# KiCad board Wireless Video Glass.kicad_pcb (continued)
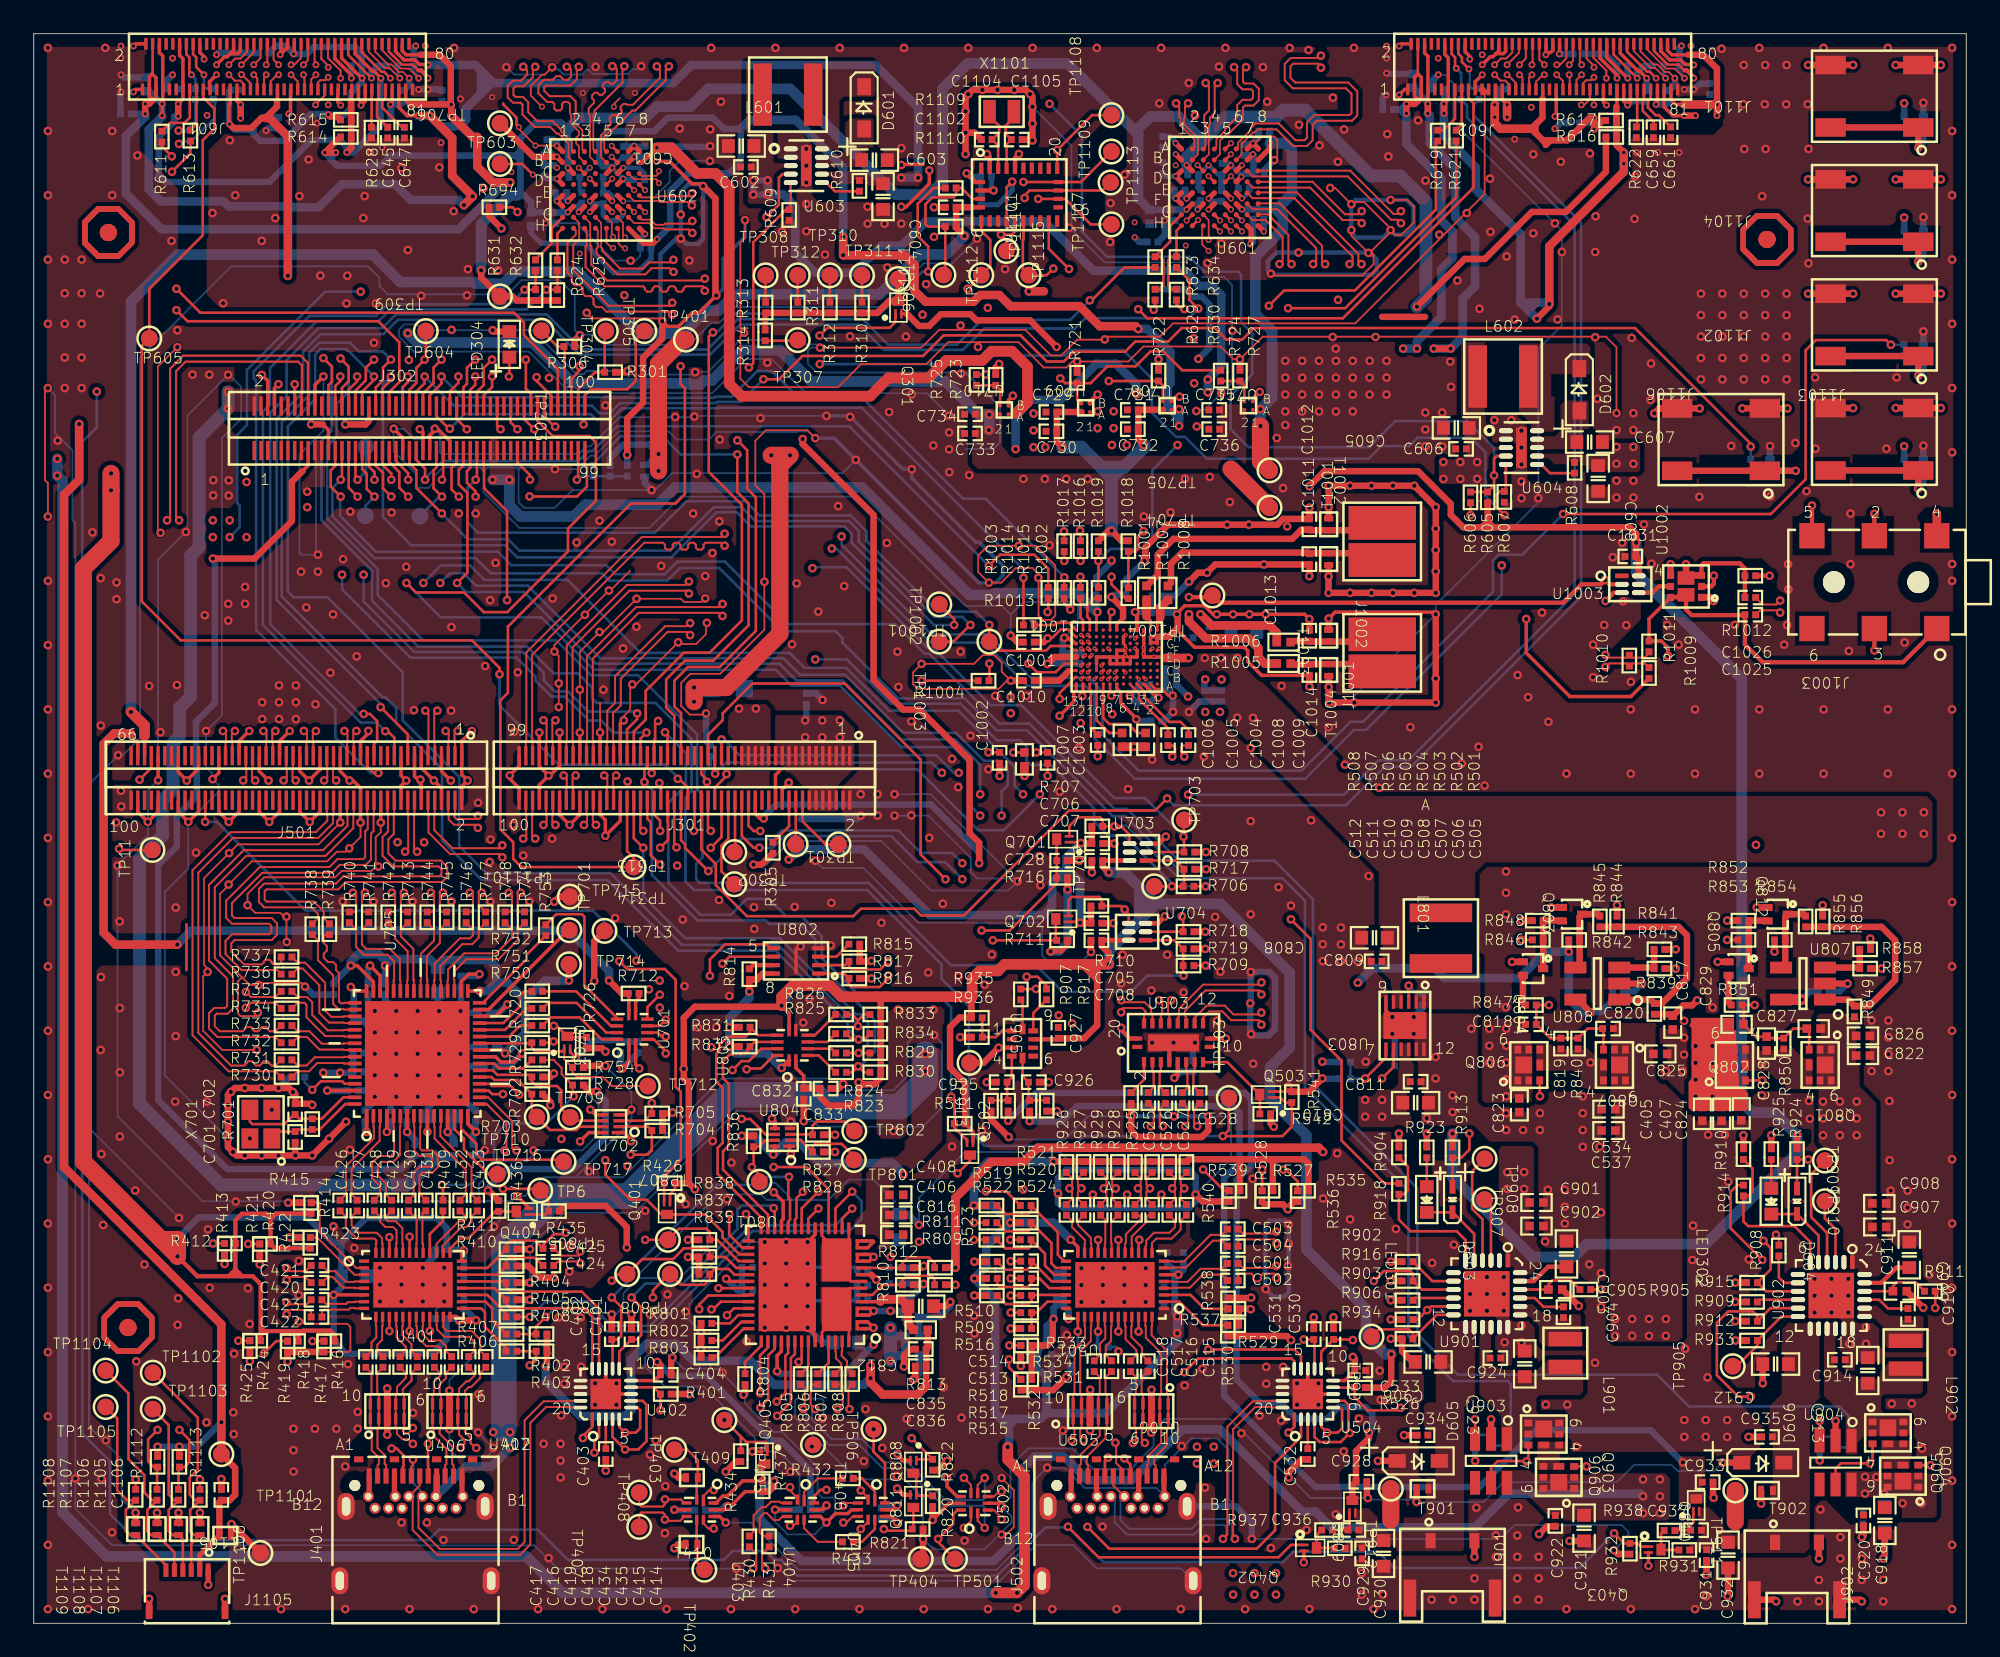
[diagram p0: board, top side]
## Routing (per net, layer and track width the routed paths; a pad name or vN(x,y) marks a point on that pad's centre or on a via; arc(x,y) is an arc through that point) (continued)
N8519947: length 1.8
  TOP w0.152: v1(63.09,17.3) U501.32
  BOTTOM w0.203: R512.1 63.05,17.26 v1(63.09,17.3)
N8557259: length 2.3
  TOP w0.152: Q808.3 52.32,8.72 Q811.1 52.37,7.56 R820.2
N8604298: length 3.9
  TOP w0.152: C1008.1 67.23,53.06 65.51,54.79 65.51,55.14 65,55.65 U1001.A5
N8605305: length 4.7
  TOP w0.152: C1009.1 68.45,52.96 67.98,53.44 67.32,53.44 65.84,54.91 65.84,55.24 U1001.A4
N8711936: length 3.1
  TOP w0.152: v1(79.92,32.3) 80.61,32.98 U803.8
  BOTTOM w0.152: v1(79.92,32.3) 80.67,33.05 R819.2
N8787935: length 2.1
  TOP w0.152: R815.2 47.58,39.52 U802.3
N8811803: length 1.5
  TOP w0.254: U802.7 42.64,39.02 R814.2
N8895024: length 4
  TOP w0.152: v2(62.09,58.6) 62.2,58.49 U1001.H12 ; v1(60.1,59.95) 60.14,59.99 R1003.2
  GND02 w0.152: v1(60.1,59.95) 60.1,59.23 60.43,58.9 61.78,58.9 v2(62.09,58.6)
N8896588: length 7.1
  TOP w0.152: R1004.2 56.65,55.91 v1(56.65,56.9)
  TOP w0.203: v2(62.09,57.8) 62.2,57.69 U1001.F12
  GND02 w0.152: v2(62.09,57.8) 62.06,57.77 v3(61.73,57.77)
  ART03 w0.122: v3(61.73,57.77) 61.59,57.91 58.34,57.91 57.73,57.3 57.05,57.3 v1(56.65,56.9)
N8909823: length 3.1
  TOP w0.254: U901.23 88.91,20.28 89.77,21.13 C903.2
N9698835: length 8.8
  TOP w0.381: J1102.2 J1102.1 v1(111.71,73.96)
  BOTTOM w0.381: v1(111.71,73.96) 112.01,74.27 T1102.2 110.93,75.1 R1102.2
N9700770: length 8.9
  TOP w0.381: v1(111.71,87.48) J1101.1 J1101.2
  BOTTOM w0.381: v1(111.71,87.48) 112.01,87.78 T1101.2 111.54,88.65 111.54,88.68 R1101.2
N9701649: length 8.8
  TOP w0.381: J1104.2 J1104.1 v1(111.71,80.72)
  BOTTOM w0.381: v1(111.71,80.72) 112.01,81.03 T1104.2 111.54,81.87 111.54,81.9 R1104.2
N10102285: length 8.6
  TOP w0.381: v1(111.71,67.26) J1103.1 J1103.2
  BOTTOM w0.381: R1103.2 111.54,68.35 111.54,68.32 T1103.2 112.01,67.56 v1(111.71,67.26)
N10154362: length 11.1
  TOP w0.152: J1105.4 8.84,4.97 T1107.2 8.23,5.23 8,5.46 8,6.71 R1106.1 8.33,7.29 8,7.62 8,11.75 TP1103.1
N10154374: length 14.3
  TOP w0.152: J1105.3 9.34,4.72 T1106.2 9.5,5.23 9.27,5.46 9.27,6.71 R1105.1 9.57,7.29 9.25,7.62 9.25,8.64 9.72,9.11 9.72,12.19 TP1102.1
N10154418: length 14.4
  TOP w0.152: TP1104.1 5.61,13.63 5.61,9.73 6.55,8.79 6.55,7.75 7.01,7.29 R1107.1 6.73,6.71 6.73,5.46 6.96,5.23 T1108.2 8.34,4.2 J1105.5
N10154492: length 12.1
  TOP w0.152: J1105.6 7.84,3.43 T1109.2 5.69,5.23 5.46,5.46 5.46,6.71 R1108.1 5.53,7.29 4.95,7.88 4.95,12.14 TP1105.1
N10693033: length 2.7
  TOP w0.152: R1013.1 60.5,59.18 60.63,59.31 61.37,59.31 U1001.J13
N10693334: length 3.8
  TOP w0.152: v1(61.44,60.1) 61.09,60.45 61.09,60.76 R1014.1
  TOP w0.203: U1001.G11 62.6,58.09 v2(62.49,58.2)
  GND02 w0.102: v2(62.49,58.2) 62.86,58.57 62.86,58.68
  GND02 w0.152: v1(61.44,60.1) 61.59,59.95 61.94,59.95 62.86,59.03 62.86,58.68
N10697228: length 6.9
  TOP w0.152: R1016.1 62.05,62.99 v1(62.05,62.98) ; U1001.F10 63,57.69 v2(62.89,57.8)
  GND02 w0.152: v1(62.05,62.98) 62.52,62.51 62.52,59.88 63.44,58.96 63.44,57.98 63.25,57.8 v2(62.89,57.8)
N10697531: length 6.6
  TOP w0.152: v1(61.09,62.98) 61.08,62.99 R1017.1 ; v2(62.49,58.6) 62.6,58.49 U1001.H11
  GND02 w0.152: v1(61.09,62.98) 60.6,62.49 60.6,61.74 60.81,61.53 60.81,59.77 60.99,59.59 61.9,59.59 62.49,59 v2(62.49,58.6)
N11232422: length 4.2
  TOP w0.152: U902.22 108.53,19.69 C911.2 110.21,19.99 110.44,20.22 111.54,20.22 R911.2
N11232558: length 3
  TOP w0.254: C909.2 110.42,21.08 109.51,20.18 U902.23
N11232828: length 2.8
  TOP w0.152: U902.21 109.39,19.18 109.92,18.66 C910.1
N11232848: length 2.5
  TOP w0.152: U902.8 103.77,20.18 103.44,20.51 R908.2
N11232852: length 2.5
  TOP w0.152: R909.2 102.31,19.18 U902.10
N11232942: length 26.1
  TOP w0.152: v1(101.78,13.44) 101.04,13.44 99.77,14.71 99.77,17.81 100.45,18.49 101.9,18.49 102.17,18.22 R912.1 102.95,18.68 U902.11 ; v1(112.72,18.69) R911.1
  ART06 w0.122: v1(112.72,18.69) 112.72,17.72 108.43,13.44 v1(101.78,13.44)
N11506579: length 2.4
  TOP w0.152: R1002.2 62.87,60.77 62.46,60.36 62.46,59.66 62.6,59.52 U1001.J11
N11507602: length 6.7
  TOP w0.152: R1001.2 64.73,60.75 63.89,61.59 v1(63.89,62.04) ; v2(63.69,57.8) 63.8,57.69 U1001.F8
  GND02 w0.152: v2(63.69,57.8) 63.79,57.9 63.79,59.11 64.37,59.68 64.37,61.55 v1(63.89,62.04)
N11540690: length 2.9
  TOP w0.152: v5(9.35,91.8) 9.22,91.92 9.22,92.84 9.05,93.01 J601.14
  BOTTOM w0.152: v5(9.35,91.8) 9.58,91.57 R623.1
N11551758: length 3.7
  TOP w0.152: R611.1 8.09,88.95 8.94,88.95 9.25,89.26 J601.15
N11552429: length 3.4
  TOP w0.152: J601.16 9.45,93.02 9.63,92.84 9.63,92.26 v5(10.09,91.8)
  BOTTOM w0.152: R612.1 10.24,90.97 10.09,91.13 v5(10.09,91.8)
N11553825: length 2.6
  TOP w0.152: J601.17 9.65,88.87 R613.1
N11562122: length 2.6
  TOP w0.152: J602.17 84.65,88.85 R621.1
N11562797: length 3.4
  TOP w0.152: v5(85.07,92.15) 84.66,92.56 84.66,92.84 84.45,93.05 J602.16
  BOTTOM w0.152: R620.1 85.27,90.97 85.12,91.13 85.12,92.1 v5(85.07,92.15)
N11563473: length 3
  TOP w0.152: R619.1 83.56,88.51 84.25,89.2 J602.15
N11564150: length 2.9
  TOP w0.152: v5(84.32,92.19) 84.25,92.26 84.25,92.84 84.05,93.04 J602.14
  BOTTOM w0.152: R618.1 84.61,91.9 v5(84.32,92.19)
N11717787: length 9.9
  TOP w0.152: R904.2 81.46,27.06 81.46,25.68 81.21,25.44 R918.2 80.92,23.93 81.61,23.24 84.35,23.24 84.88,22.71 U901.6
N11749043: length 4.3
  TOP w0.152: R406.1 28,16.32 26.75,17.58 26.75,18.44 26.52,18.67 U401.21
N11749394: length 3.8
  TOP w0.152: R407.1 27.18,17.97 27.18,18.67 26.78,19.07 U401.22
N11749746: length 3.3
  TOP w0.152: U401.23 26.89,19.47 28,18.35 R408.1
N11750099: length 2.8
  TOP w0.152: R409.1 24.26,23.85 23.48,23.07 U401.32
N12644389: length 2
  TOP w0.152: R632.1 31.04,82.39 U602.H1
N12645126: length 3.2
  TOP w0.152: R631.1 29.74,80.85 30.71,81.81 30.71,82.71 U602.G1
N13634046: length 9.9
  TOP w0.152: R910.2 101.88,26.96 101.88,25.58 101.64,25.33 R914.2 101.35,23.83 101.63,23.55 104.37,23.55 105.3,22.61 U902.6
N13822389: length 5.3
  TOP w0.152: U902.12 103.59,18.18 R933.2 102.17,16.47 100.94,15.24 TP905.1
N13825666: length 6
  TOP w0.152: U901.12 83.17,18.28 R934.2 81.75,17.18 81.51,17.42 79.73,17.42 TP906.1
N13955692: length 8.7
  TOP w0.152: Q904.3 109,9.64 v1(108.84,9.48) 107.12,9.48 106.81,9.17 U904.5 ; Q905.3 v1(112.43,9.37)
  ART03 w0.122: v1(112.43,9.37) 112.31,9.48 v1(108.84,9.48)
N14056750: length 3.1
  TOP w0.152: U904.3 v1(105.86,11.99)
  BOTTOM w0.152: R922.2 R921.2 105.87,11.98 v1(105.86,11.99)
N14059137: length 3.1
  TOP w0.152: U903.3 v1(85.44,12.09)
  BOTTOM w0.152: v1(85.44,12.09) 85.45,12.08 R919.2 R920.2
N14207457: length 3.5
  TOP w0.114: U401.16 23.08,17.63 23.05,17.6 23.05,17.14 23.42,16.77 24.11,16.77 24.43,16.45 24.43,16.15 C435.2
N14208601: length 3.5
  TOP w0.114: U401.15 22.68,17.63 22.71,17.6 22.71,17 23.28,16.43 23.97,16.43 24.09,16.31 24.09,16.15 C434.2
N14444558: length 1.7
  TOP w0.152: LED301.1 R923.2
N14453922: length 1.7
  TOP w0.152: LED302.1 R925.2
N14469500: length 9.8
  TOP w0.152: LED304.1 28.19,73.94 v1(28.17,73.91) ; v1(29.41,67.8) 29.41,68.07 28.67,68.81 J302.79
  ART06 w0.152: v1(28.17,73.91) 29.18,72.9 29.18,68.03 v1(29.41,67.8)
N14536845: length 2.3
  TOP w0.152: R930.2 77.07,4.47 Q402.3 76.04,5.22 R937.2
N14559099: length 2.3
  TOP w0.152: R938.2 96.46,5.31 Q403.3 96.49,4.34 R931.2
N14625751: length 3.7
  TOP w0.152: R928.1 R929.2 58.96,31.07 C926.1 58.61,32.43 U905.5
N14625807: length 3.8
  TOP w0.152: R926.1 R927.2 57.7,31.06 C925.1 57.98,32.36 U905.4
N14641767: length 3.9
  TOP w0.152: J301.16 45.57,47.55 46.94,46.18 TP301.1
N14642830: length 2.6
  TOP w0.152: J301.18 45.17,46.89 45.16,46.88 TP302.1
N14646052: length 3.1
  TOP w0.152: TP313.1 41.57,45.76 J301.36
N14647131: length 5.5
  TOP w0.152: J301.38 41.17,46.5 40.77,46.1 40.77,44.58 TP314.1
N14695233: length 2.2
  TOP w0.152: U905.9 59.25,36.17 R917.1
N14695567: length 1.8
  TOP w0.152: R907.1 58.61,36.86 U905.10
N14897144: length 9.7
  TOP w0.381: J1106.2 J1106.1 v1(104.44,68.32)
  BOTTOM w0.381: v1(104.44,68.32) 103.94,68.32 103.94,68.32 T1110.2 102.18,68.32 102.18,68.35 R1111.2
N14915482: length 4.5
  TOP w0.203: U403.10 40.43,7.13 40.84,7.54 41.12,7.54 42.02,8.44 R437.2 43.21,9.34 Q405.3
N15279169: length 2.5
  TOP w0.152: R724.1 R727.2 71.76,73.39 U711.B2
N15283828: length 2.5
  TOP w0.152: U710.B2 57.28,73.13 R723.2 R725.1
N15459534: length 6
  TOP w0.114: U705.44 21.33,38.12 21.36,38.15 21.36,39.24 20.97,39.64 19.57,39.64 19.11,40.09 19.11,41.13 R740.1
N15459870: length 6
  TOP w0.114: R741.1 19.45,41.13 19.45,40.24 19.71,39.98 21.11,39.98 21.7,39.38 21.7,38.15 21.73,38.12 U705.43
N15460207: length 4.5
  TOP w0.114: R742.1 21.42,41.13 21.42,40.58 22.16,39.84 22.16,38.15 22.13,38.12 U705.42
N15460545: length 4.5
  TOP w0.114: R743.1 21.76,41.13 21.76,40.72 22.5,39.98 22.5,38.15 22.53,38.12 U705.41
N15460884: length 4.5
  TOP w0.114: U705.40 22.93,38.12 22.96,38.15 22.96,39.7 23.73,40.47 23.73,41.13 R744.1
N15461224: length 4.5
  TOP w0.114: R745.1 24.07,41.13 24.07,40.33 23.3,39.56 23.3,38.15 23.33,38.12 U705.39
N15461565: length 5.5
  TOP w0.114: R746.1 26.04,41.13 26.04,40.79 25.85,40.6 25.26,40.6 23.76,39.11 23.76,38.15 23.73,38.12 U705.38
N15461907: length 5.5
  TOP w0.114: R747.1 26.38,41.13 26.38,40.65 25.99,40.26 25.4,40.26 24.1,38.96 24.1,38.15 24.13,38.12 U705.37
N15462250: length 6.9
  TOP w0.114: R748.1 28.35,41.13 28.35,40.64 27.42,39.71 25.51,39.71 24.56,38.76 24.56,38.15 24.53,38.12 U705.36
N15463405: length 6.9
  TOP w0.114: R749.1 28.69,41.13 28.69,40.5 27.56,39.37 25.65,39.37 24.9,38.62 24.9,38.15 24.93,38.12 U705.35
N15727685: length 3.8
  TOP w0.152: TP907.1 86.38,24.74 U901.3
N15728930: length 6.6
  TOP w0.152: TP908.1 85.27,26.8 85.27,24.56 85.88,23.95 U901.4
N15730580: length 3.9
  TOP w0.152: U902.3 106.8,23.37 106.17,24 TP910.1
N15731829: length 6.8
  TOP w0.152: U902.4 106.3,23.14 105.36,24.08 105.36,26.62 TP909.1
N15812820: length 4.1
  TOP w0.152: v1(78.92,32.3) 80.16,33.53 U803.7
  BOTTOM w0.152: v1(78.92,32.3) 78.91,32.28 R860.1 R859.2
N16283960: length 3
  TOP w0.152: U905.1 57.4,35.12 57.02,34.75 R936.2 R935.2
N16522035: length 8.1
  TOP w0.152: R694.1 28.4,83.95 v1(28.68,83.67) ; U602.D5 v4(34.29,85.64)
  ART03 w0.122: v4(34.29,85.64) 33.62,84.97 30.62,84.97 29.31,83.67 v1(28.68,83.67)
N16524234: length 1.4
  TOP w0.152: U601.D5 v4(70.97,85.79)
  BOTTOM w0.152: v4(70.97,85.79) 71.41,85.35 R684.1
N16591790: length 4.8
  TOP w0.152: U705.14 24.93,29.3 25.5,28.73 25.5,28.09 26.97,26.62 TP716.1
N16594066: length 8
  TOP w0.152: TP717.1 31.28,27.48 26.57,27.48 26.24,27.81 26.24,28.42 25.33,29.33 U705.15
N16795487: length 2.1
  TOP w0.152: U405.7 49.86,5.59 49.09,4.83 R433.1
N16795489: length 2.1
  TOP w0.152: R432.1 49.09,8.59 49.86,7.82 U405.1
N16795507: length 3.5
  TOP w0.114: R431.1 43.24,5.17 43.03,5.39 43.03,6.25 43.31,6.53 43.46,6.53 43.87,6.12 44.17,6.12 44.38,6.33 U404.5
N16795509: length 3.7
  TOP w0.114: R430.1 42.67,5.43 42.67,6.4 43.16,6.88 43.38,6.88 43.71,7.21 44.23,7.21 44.3,7.13 U404.3
N16856712: length 2
  TOP w0.152: Q809.1 77.99,5.62 C936.2 76.99,5.53 R937.1
N16875670: length 2.1
  TOP w0.152: Q810.1 98.37,5.99 98.22,5.83 C937.2 97.31,5.52 R938.1

## Copper pours and planes (outline as drawn; the poured copper is in the pictures)
GND on TOP: 81.71,93.29 80.49,93.29 80.44,93.24 80.44,91.36 80.54,91.26 81.51,91.26 81.56,91.21 81.56,90.6 81.51,90.55 79.68,90.55 79.58,90.65 79.58,93.73 81.76,93.73 81.76,93.34
GND on TOP: 10.33,90.59 11.3,90.59 11.32,90.61 11.32,91.33 11.19,91.46 11.19,92.61 11.36,92.78 11.51,92.78 11.64,92.91 11.64,93.08 11.55,93.16 11.17,93.16 11.13,93.2 11.13,93.97 11.11,94 10.52,94 10.48,93.96 10.48,91.6 10.32,91.43 10.32,90.59
GND on TOP: 90.48,90.26 90.37,90.37 90.37,91.26 90.32,91.31 89.77,91.31 89.75,91.28 89.75,90.58 89.81,90.52 89.81,88.42 89.94,88.29 90.37,88.29 90.48,88.4
GND on TOP: 86.95,66.18 95.14,66.18 95.22,66.26 95.22,67.91 95.16,67.98 93.6,67.98 93.18,67.56 88.79,67.56 88.51,67.83 88.51,71.2 88.11,71.6 86.51,71.6 86.44,71.53 86.44,70.08 86.51,70 87.77,70 87.87,69.9 87.87,68.5 87.88,68.49 87.88,66.77 87.78,66.66 86.96,66.66 86.94,66.64 86.94,66.19
GND on TOP: 82.22,72.21 83.79,72.21 84,72.01 84,70.43 84.45,69.98 84.45,69.42 84.3,69.27 82.22,69.27 82.12,69.37 82.12,72.11
GND on TOP: 45.08,34.77 45.31,34.77 45.36,34.82 45.36,35.08 45.52,35.23 45.85,35.23 46.5,35.88 46.5,37.24 46.41,37.33 45.17,37.33 45.06,37.23 45.06,34.8
GND on TOP: 32.79,13.54 32.72,13.46 31.01,13.46 30.89,13.59 30.89,15.39 30.99,15.49 32.72,15.49 32.79,15.42
GND on TOP: 14.85,89.05 15.41,89.05 15.46,89.1 15.46,90.26 15.34,90.37 15.34,91.26 15.29,91.31 14.75,91.31 14.72,91.28 14.72,90.58 14.78,90.52 14.78,89.12
GND on TOP: 6.68,93.29 5.46,93.29 5.41,93.24 5.41,91.36 5.51,91.26 6.48,91.26 6.53,91.21 6.53,90.6 6.48,90.55 4.65,90.55 4.55,90.65 4.55,93.73 6.73,93.73 6.73,93.34
GND on TOP: 0.51,0.51 0.51,93.73 114.05,93.73 114.05,66.34 113.87,66.17 112.16,66.17 111.65,65.66 111.65,65.43 112.07,65.01 113.87,65.01 114.05,65.19 114.05,0.51
GND on TOP: 92.32,89.69 93.41,89.69 93.44,89.72 93.44,90.2 93.17,90.46 93.17,91.25 93.14,91.29 92.55,91.29 92.53,91.26 92.53,90.76 92.53,90.75 92.53,90.47 92.27,90.21 92.27,89.74
GND on TOP: 78.8,14.54 78.7,14.64 78.7,15.37 78.8,15.47 79.9,15.47 80.1,15.28 80.1,14.64 80,14.54
GND on TOP: 94.79,88.29 97.79,88.29 97.92,88.16 97.92,86.66 97.84,86.59 94.79,86.59 94.72,86.66 94.72,88.21
GND on TOP: 85.35,90.59 86.33,90.59 86.35,90.61 86.35,91.33 86.22,91.46 86.22,92.61 86.39,92.78 86.54,92.78 86.66,92.91 86.66,93.08 86.58,93.16 86.2,93.16 86.16,93.2 86.16,93.97 86.14,94 85.55,94 85.51,93.96 85.51,91.6 85.35,91.43 85.35,90.59
GND on TOP: 44.96,41.15 47.24,41.15 47.37,41.02 47.37,40 47.24,39.88 46.1,39.88 45.85,39.62 45.85,38.48 45.72,38.35 44.96,38.35 44.83,38.48 44.83,41.02
GND on TOP: 35.56,35.79 35.64,35.71 35.79,35.71 35.84,35.76 35.84,35.94 35.84,35.95 35.84,36.34 36.73,37.23 36.73,37.45 37.05,37.77 37.59,37.77 37.59,38.61 37.49,38.71 35.64,38.71 35.56,38.63
GND on TOP: 44.22,82.25 44.22,83.29 44.4,83.46 45.24,83.46 45.39,83.62 45.39,86.64 45.26,86.77 44.45,86.77 44.37,86.84 44.37,87.68 44.5,87.81 46.05,87.81 46.15,87.71 46.15,84.61 46.51,84.25 52.1,84.25 52.22,84.12 52.22,82.55 52.21,82.54 52.21,81.6 52.07,81.46 44.53,81.46 44.2,81.79 44.2,82.22
GND on TOP: 55.37,71.88 55.37,69.47 55.24,69.34 54.1,69.34 53.97,69.47 53.97,71.88 54.1,72.01 55.24,72.01
GND on TOP: 52.91,22.35 52.76,22.2 51.36,22.2 51.28,22.28 51.28,25.63 51.43,25.78 52.63,25.78 52.91,25.5
GND on TOP: 98.02,35.18 98.02,32.38 97.87,32.23 96.55,32.23 96.39,32.38 96.39,35.26 96.6,35.46 97.74,35.46
GND on TOP: 60.3,36.47 61.85,36.47 61.95,36.37 61.95,35.23 61.82,35.1 60.3,35.1 60.22,35.18 60.22,36.4
GND on TOP: 86.69,17.98 88.52,17.98 88.95,17.55 88.95,15.89 88.78,15.72 87.7,15.72 87.34,15.37 86.77,15.37 86.64,15.49 86.64,17.93
GND on TOP: 94.49,62.61 93.29,62.61 93.19,62.71 93.19,64.29 93.32,64.41 94.46,64.41 94.54,64.34 94.54,62.66
GND on TOP: 107.11,17.88 108.94,17.88 109.37,17.45 109.37,15.37 109.27,15.27 107.19,15.27 107.06,15.39 107.06,17.83
GND on TOP: 41.4,88.93 41.61,88.72 41.61,87.15 42.06,86.69 42.06,86.26 41.91,86.11 41.63,86.11 41.5,86.23 39.83,86.23 39.34,86.72 39.34,89.66 39.51,89.82 41.3,89.82 41.43,89.69 41.43,88.96
GND on TOP: 48.01,49.66 51.31,49.66 51.43,49.53 51.43,47.5 51.31,47.37 48.01,47.37 47.88,47.5 47.88,49.53
GND on TOP: 65.02,72.14 65.02,69.72 64.9,69.6 63.75,69.6 63.63,69.72 63.63,72.14 63.75,72.26 64.9,72.26
GND on TOP: 83.02,90.51 82.89,90.63 82.89,93.12 82.71,93.3 82.71,93.78 83.4,93.78 83.4,93.15 83.55,93 83.55,90.53 83.53,90.51
GND on TOP: 60.2,72.01 60.2,69.6 60.07,69.47 59.16,69.47 59,69.62 59,71.93 59.21,72.14 60.07,72.14
GND on TOP: 84.63,30.02 84.53,29.92 82.35,29.92 82.25,30.02 82.25,30.89 82.27,30.91 82.27,31.52 82.02,31.78 82.02,32.87 82.04,32.89 82.04,33.25 81.81,33.48 81.81,34.37 81.64,34.54 77.32,34.54 77.11,34.75 77.11,41.58 77.32,41.78 78.99,41.78 79.2,41.58 79.2,39.98 79.5,39.67 79.5,38.35 80.29,37.57 80.29,36.45 80.47,36.27 84.45,36.27 84.63,36.09
GND on TOP: 109.78,13.32 111.93,13.32 112.36,13.75 112.36,16.27 112.57,16.48 113.79,16.48 113.95,16.32 113.95,12.04 113.8,11.89 111.64,11.89 111.49,12.04 111.49,12.34 111.15,12.68 109.83,12.68 109.76,12.75 109.76,13.3
GND on TOP: 97.38,90.55 98.53,90.55 98.63,90.65 98.63,91.72 98.58,91.77 98.27,91.77 98.2,91.69 98.2,91.34 98.09,91.24 97.61,91.24 97.56,91.29 97.38,91.29 97.36,91.26 97.36,90.58
GND on TOP: 7.99,90.51 7.86,90.63 7.86,93.12 7.68,93.3 7.68,93.78 8.37,93.78 8.37,93.15 8.52,93 8.52,90.53 8.5,90.51
GND on TOP: 22.36,90.55 23.5,90.55 23.6,90.65 23.6,91.72 23.55,91.77 23.24,91.77 23.17,91.69 23.17,91.34 23.07,91.24 22.58,91.24 22.53,91.29 22.36,91.29 22.33,91.26 22.33,90.58
GND on TOP: 97.15,93.28 97.76,93.28 97.93,93.45 98.37,93.45 98.5,93.58 98.5,94.01 98.47,94.05 97.22,94.05 97.14,93.97 97.14,93.29
GND on TOP: 74.4,13.54 74.33,13.46 72.63,13.46 72.5,13.59 72.5,15.39 72.6,15.49 74.33,15.49 74.4,15.42
GND on TOP: 19.76,88.29 22.25,88.29 22.35,88.19 22.35,86.74 22.2,86.59 19.76,86.59 19.69,86.66 19.69,88.21
GND on TOP: 17.29,89.69 18.38,89.69 18.41,89.72 18.41,90.2 18.14,90.46 18.14,91.25 18.11,91.29 17.52,91.29 17.5,91.26 17.5,90.76 17.5,90.75 17.5,90.47 17.24,90.21 17.24,89.74
GND on TOP: 69.85,72.14 69.85,69.72 69.72,69.6 68.58,69.6 68.45,69.72 68.45,72.14 68.58,72.26 69.72,72.26
GND on BOTTOM: 60.2,21.34 62.23,21.34 62.36,21.21 62.36,19.81 62.23,19.69 61.72,19.69 61.34,20.07 60.2,20.07 60.07,20.19 60.07,21.21
GND on BOTTOM: 0.51,0.51 0.51,93.73 13.51,93.73 13.51,92.34 15.6,92.34 15.6,93.73 114.05,93.73 114.05,0.51
GND on GND02: 0.51,0.51 0.51,93.73 114.05,93.73 114.05,0.51
GND on GND02: 65.08,57.23 66.84,58.98 66.84,59.41 66.79,59.46 64.52,59.46 64.44,59.39 64.44,57.27 64.49,57.23
GND on ART03: 0.51,0.51 0.51,93.73 114.05,93.73 114.05,0.51
GND on GND04: 0.51,0.51 0.51,93.73 114.05,93.73 114.05,0.51
GND on ART05: 0.51,0.51 0.51,93.73 114.05,93.73 114.05,0.51
GND on ART06: 0.51,0.51 0.51,93.73 114.05,93.73 114.05,0.51
GND on GND07: 0.51,0.51 0.51,93.73 114.05,93.73 114.05,0.51
(no net) on TOP: 100.76,35.89 100.91,35.74 100.91,34.37 101.07,34.21 101.07,31.98 101.63,31.42 101.63,30.51 101.5,30.38 98.27,30.38 98.09,30.56 98.09,35.71 98.27,35.89
CHG_PWR on TOP: 88.57,35.89 88.72,35.74 88.72,34.37 88.87,34.21 88.87,30.96 88.77,30.86 86,30.86 85.85,31.01 85.85,35.74 86,35.89
CHG_PWR on TOP: 108.13,20.52 108.05,20.6 108.05,20.85 107.9,21.01 107.65,21.01 107.59,21.06 107.59,21.87 107.26,22.2 107.26,23.42 106.91,23.77 106.91,27.41 105.79,28.52 105.79,31.67 105.64,31.83 105.64,35.94 105.84,36.14 108.13,36.14 108.23,36.04 108.23,31.83 109.22,30.84 109.22,23.01 109.65,22.58 109.65,20.85 109.32,20.52
CHG_PWR on TOP: 87.71,20.62 87.63,20.7 87.63,20.95 87.48,21.11 87.22,21.11 87.17,21.16 87.17,22.43 86.84,22.76 86.84,28.12 87.02,28.3 88.77,28.3 88.93,28.14 88.93,23.09 89.17,22.85 89.17,22.36 89.31,22.22 89.31,21.23 88.7,20.62
CHG_PWR on ART06: 91.77,34.59 91.77,31.7 92.58,30.89 104.93,30.89 105.27,31.23 108.7,31.23 108.99,30.94 108.99,25.4 108.69,25.1 86.21,25.1 85.88,25.43 85.88,35.23 86.23,35.59 89.46,35.59 90.14,34.9 91.47,34.9
DRAIN1 on TOP: 46.6,23.78 46.82,23.78 46.85,23.74 46.85,23.04 46.89,23 48.11,23 48.22,23.1 48.22,23.77 48.24,23.79 48.42,23.79 48.51,23.7 48.51,20.45 48.6,20.37 49.4,20.37 49.42,20.34 49.42,20.18 49.4,20.16 46.7,20.16 46.56,20.29 46.56,23.74
DRAIN2 on TOP: 46.69,19.96 49.4,19.96 49.43,19.92 49.43,19.79 49.39,19.75 48.6,19.75 48.48,19.63 48.48,16.4 48.43,16.36 48.22,16.36 48.2,16.38 48.2,17.23 48.16,17.27 46.9,17.27 46.82,17.19 46.82,16.37 46.81,16.35 46.64,16.35 46.61,16.38 46.61,19.89
L_LCD_VCCP on BOTTOM: 23.75,90.42 25.1,90.42 25.22,90.3 25.22,89.31 25.1,89.18 24.54,89.18 23.75,89.97 23.7,89.97 23.7,90.37
L_VBAT on TOP: 104.98,4.17 105.28,4.47 105.28,12.78 105.97,13.46 105.97,17.86 105.92,17.91 105.03,17.91 104.97,17.84 104.05,17.84 103.64,17.44 103.64,16.52 103.61,16.48 103.61,15.7 103.62,15.68 103.62,13.6 102.82,12.8 102.82,10.13 102.95,10.01 102.95,6.48 102.64,6.17 100,6.17 99.27,6.9 98.69,6.9 98.63,6.84 98.63,6.12 98.65,6.1 98.65,4.95 98.5,4.8 97.99,4.8 97.94,4.75 97.94,4.14 97.97,4.11 99.82,4.11 99.87,4.17
L_VBUS on TOP (solid shape): 98.27,32.28 98.27,35.28 98.12,35.44 98.15,35.46 98.17,35.49 98.18,35.52 98.2,35.55 98.21,35.59 98.22,35.62 98.23,35.66 98.23,35.69 98.23,35.73 98.23,35.76 98.21,35.83 98.27,35.89 100.79,35.89 100.79,35.16 100.91,35.16 100.91,34.37 100.96,34.32 100.96,32.69 101.07,32.58 101.07,31.98 101.11,31.94 101.11,31.79 101.25,31.79 101.63,31.42 101.63,30.51 101.5,30.38 98.27,30.38 98.09,30.56 98.09,32.1
L_VBUS on TOP: 48.72,22.17 50.88,22.17 50.98,22.28 50.98,25.73 53.85,28.6 53.85,33.91 53.64,34.11 52.07,34.11 52.02,34.06 52.02,28.96 51.16,28.09 50.72,28.09 49.34,26.71 49.34,26.28 49.33,26.26 49.33,24.54 48.67,23.88 48.67,22.22
L_VBUS on BOTTOM: 26.85,11.71 28.57,11.71 28.8,11.48 28.8,10.21 28.55,9.96 28.12,9.96 26.8,11.28 26.8,11.66
L_VBUS on ART05: 88.66,1.79 82.69,1.79 82.11,1.2 57.98,1.2 58,1.23 58.03,1.26 58.05,1.48 58.02,1.5 57.99,1.53 57.97,1.56 57.95,1.58 57.93,1.62 57.92,1.65 57.91,1.68 57.9,1.71 57.89,1.75 57.89,1.79 57.89,1.82 57.89,1.86 57.9,1.89 57.9,1.93 57.49,2.1 57.41,1.92 57.42,1.89 57.43,1.85 57.43,1.82 57.43,1.78 57.43,1.75 57.42,1.71 57.41,1.68 57.4,1.65 57.38,1.61 57.37,1.58 57.34,1.55 57.32,1.53 57.3,1.5 57.27,1.48 57.24,1.46 57.21,1.44 57.18,1.43 57.14,1.41 57.11,1.41 57.07,1.4 57.04,1.4 57,1.4 56.97,1.4 56.93,1.41 56.9,1.42 56.7,1.28 56.77,1.25 56.8,1.23 56.84,1.2 28.2,1.2 27.69,1.72 27.69,5.84 27.3,6.22 21.59,6.22 20.95,6.86 20.95,8.76 21.4,9.21 23.27,9.21 23.65,9.59 26.61,9.59 26.92,9.91 26.92,11.79 27.05,11.91 30.05,11.91 36.94,5.03 66.75,5.03 71.22,9.5 80.64,9.5 82.42,11.28 86,11.28 95.89,21.16 95.89,35 96.19,35.31 101.19,35.31 101.52,34.98 101.52,14.66
L_VBUS on ART06: 28.97,11.67 35.76,4.88 45.14,4.88 45.53,4.48 45.61,4.48 46,4.09 54.36,4.09 54.81,4.55 69.14,4.55 69.14,4.54 69.33,4.54 70.47,3.4 73.99,3.4 74.24,3.15 74.24,1.47 74.08,1.31 33.95,1.31 27.22,8.04 26.39,7.21 21.03,7.21 20.71,7.53 20.71,8.79 20.93,9 20.93,9.02 21.08,9.17 24.1,9.17 24.59,9.65 26.72,9.65 27,9.93 27,11.58 27.09,11.67
L_VDD1_1V8 on BOTTOM: 9.07,89.18 9.02,89.13 8.36,89.13 8.32,89.16 8.32,91.16 8.36,91.19 8.36,91.21 9.02,91.21 9.07,91.16
L_VDD_10V on TOP: 46.36,86.08 52.47,86.08 52.68,85.87 52.68,85.43 52.16,84.91 49.71,84.91 49.3,85.32 47.42,85.32 47.02,85.72 46.38,85.72 46.3,85.8 46.3,86.03
LCD_1V2_L on TOP: 58.55,70.54 58.5,70.48 57.68,70.48 57.58,70.59 57.58,71.81 57.78,72.01 58.5,72.01 58.55,71.96
LCD_1V2_R on TOP: 73.02,70.79 72.97,70.74 72.16,70.74 72.06,70.84 72.06,72.06 72.26,72.26 72.97,72.26 73.02,72.21
LCD_1V2_R on BOTTOM: 67.79,86.23 67.39,86.23 67.24,86.39 66.42,86.39 66.37,86.44 66.37,87.66 66.42,87.71 67.24,87.71 67.29,87.66 67.29,87.4 67.34,87.35 67.79,87.35 67.84,87.3 67.84,86.28
LCD_1V2_R on ART06: 67.01,87.3 67.84,87.3 68.07,87.07 68.07,86.33 69.1,85.31 72.2,85.31 72.34,85.17 72.34,83.72 72.22,83.6 68.85,83.6 67.69,84.76 67.08,84.76 66.9,84.94 66.9,87.2
LCD_1V8_L on TOP: 68.2,70.79 68.15,70.74 67.34,70.74 67.23,70.84 67.23,72.06 67.44,72.26 68.15,72.26 68.2,72.21
LCD_1V8_R on TOP: 63.37,70.66 63.32,70.61 62.51,70.61 62.41,70.71 62.41,71.93 62.61,72.14 63.32,72.14 63.37,72.09
LCD_1V8_R on BOTTOM: 65.07,82.02 66.37,82.02 66.47,82.12 66.47,83.19 66.42,83.24 65.81,83.24 65.71,83.34 65.02,83.34 65.02,83.31 64.92,83.21 64.92,82.17
LL_VBAT on TOP: 99.11,7.09 97.58,7.09 97.51,7.16 97.51,9.78 97.64,9.91 99.01,9.91 99.11,9.8
LT_VCC12 on TOP: 19.41,32.94 19.46,32.89 19.46,32.28 19.43,32.26 16.97,32.26 16.87,32.36 16.87,32.87 16.94,32.94
LT_VCC33 on TOP: 35.18,34.7 35.31,34.7 35.38,34.62 35.38,32.54 35.2,32.36 34.59,32.36 34.44,32.51 34.44,33.78 35.13,34.47 35.13,34.65
PD_LDO_3V3 on BOTTOM: 49.28,21.31 50.83,21.31 50.93,21.21 50.93,19 50.85,18.92 49.3,18.92 49.23,19 49.23,21.26
R_LCD_VCCP on BOTTOM: 99.06,90.83 99.9,90.83 100.05,90.68 100.05,89.1 99.95,89 99.09,89 99.01,89.08 99.01,90.78
R_VBAT on TOP: 84.63,4.27 84.79,4.42 84.79,12.8 85.55,13.56 85.55,17.96 85.5,18.01 83.31,18.01 83.05,17.74 83.05,13.55 82.4,12.9 82.4,10.24 82.52,10.11 82.52,6.58 82.22,6.27 79.67,6.27 79.12,6.83 78.28,6.83 78.27,6.82 78.27,6.23 78.33,6.17 78.33,5.02 78.21,4.9 77.57,4.9 77.52,4.85 77.52,4.24 77.55,4.22 79.4,4.22 79.45,4.27
R_VBUS on TOP: 48.69,18.8 51,18.8 51.1,18.69 51.1,17.3 50.98,17.17 50.67,17.17 50.04,17.81 49.94,17.81 49.58,18.16 48.72,18.16 48.67,18.21 48.67,18.77
R_VBUS on TOP: 96.27,32.41 97.74,30.94 97.74,16.97 97.46,16.69 93.73,16.69 93.45,16.97 93.45,35.48 93.55,35.59 96.11,35.59 96.27,35.43
R_VBUS on ART05: 62.57,7.21 61.73,8.05 59.36,8.05 58.72,8.69 58.72,10.01 58.9,10.19 62.19,10.19 62.91,9.47 65.73,9.47 67.44,11.18 70.18,11.18 70.54,10.82 70.54,9.4 70.13,8.99 67.64,8.99 65.86,7.21 65.3,7.21 65.15,7.37 65.15,8.03 65,8.18 63.53,8.18 63.37,8.03 63.37,7.34 63.25,7.21
R_VBUS on ART06: 92.76,18.29 97,18.29 97.13,18.16 97.13,10.03 97.1,10.01 97.1,9.68 89.05,1.63 77.8,1.63 77.74,1.69 76.26,1.69 69.14,8.81 67.36,8.81 65.74,7.19 62.53,7.19 62.12,7.61 62.18,7.67 62.18,9.22 62.23,9.27 65.61,9.27 66.62,10.29 66.62,11.79 66.7,11.86 72.95,11.86 74.73,10.08 84.56,10.08
R_VDD_10V on TOP: 88.83,69.34 93.06,69.34 93.7,69.98 95.04,69.98 95.22,69.8 95.22,68.38 95.09,68.24 92.37,68.24 91.96,68.65 90.21,68.65 89.79,69.07 88.8,69.07 88.76,69.11 88.76,69.27
SYS_5V on TOP: 48.72,17.96 49.68,17.96 50.19,17.45 50.19,16.26 50.09,16.15 48.77,16.15 48.67,16.26 48.67,17.91
SYS_5V on TOP: 48.69,22 51,22 51.1,21.89 51.1,21.46 51,21.36 48.72,21.36 48.67,21.41 48.67,21.97
SYS_5V on TOP: 80.9,34.44 81.58,34.44 81.66,34.37 81.66,33.3 81.81,33.15 81.81,31.75 81.66,31.6 81.66,29.64 81.43,29.41 78.66,29.41 78.51,29.57 78.51,31.37 78.79,31.65 80.54,31.65 80.87,31.98 80.87,34.42
SYS_5V on BOTTOM: 48.51,17.78 49.91,17.78 50.04,17.65 50.04,16.13 49.91,16 48.51,16 48.39,16.13 48.39,17.65
SYS_5V on BOTTOM: 50.55,23.11 51.82,23.11 51.94,22.99 51.94,21.49 51.89,21.44 49.61,21.44 49.53,21.51 49.53,22.1 49.66,22.22 49.91,22.22 50.42,22.73 50.42,22.99
SYS_VBAT on TOP: 84.71,75.95 86.16,75.95 86.23,75.87 86.23,69.98 86.36,69.85 87.58,69.85 87.66,69.77 87.66,69.57 87.6,69.52 86.74,69.52 86.39,69.16 86.39,67.82 86.11,67.54 83.4,67.54 83.29,67.65 83.29,69.02 83.43,69.16 84.54,69.16 84.7,69.32 84.7,69.43 84.61,69.52 84.61,75.84
SYS_VBAT on TOP: 42.32,92.66 43.76,92.66 43.84,92.58 43.84,86.69 43.97,86.56 45.19,86.56 45.26,86.49 45.26,86.28 45.21,86.23 44.35,86.23 43.99,85.88 43.99,85.27 43.95,85.23 43.95,84.29 43.81,84.15 42.44,84.15 42.32,84.28 42.32,86.77 42.21,86.87 42.21,92.56
SYS_VBAT on TOP: 80.54,36.4 80.44,36.5 80.44,38.1 79.73,38.81 79.73,44.53 67.67,56.59 67.67,56.71 67.02,56.71 66.93,56.8 66.93,57.62 67.11,57.8 71.53,57.8 71.78,57.55 71.78,56.85 79.59,49.03 112.2,49.03 112.55,48.69 112.55,45.39 112.27,45.11 86.06,45.11 85.45,44.5 85.45,41.58 85.32,41.45 81.84,41.45 81.81,41.48 81.48,41.48 81.25,41.25 81.25,36.5 81.15,36.4
SYS_VBAT on TOP: 44.07,53.85 47.85,53.85 48.64,53.06 48.64,50.67 47.75,49.78 47.75,49.76 47.65,49.66 47.65,48.23 47.55,48.13 45.97,48.13 45.85,48.26 45.85,49.4 44.83,50.42 44.2,50.42 43.81,50.8 43.81,53.59
SYS_VBAT on TOP: 88.68,9.07 88.86,8.89 96.7,8.89 97,8.59 97,6.27 96.82,6.1 90.06,6.1 88.53,7.63 87.01,7.63 86.94,7.69 86.94,9.04 86.97,9.07
SYS_VBAT on TOP: 107.44,9.02 112.7,9.02 112.8,8.92 112.8,6.4 112.65,6.25 107.59,6.25 107.37,6.48 107.37,8.94
SYS_VBAT on BOTTOM: 95.22,9.3 97.18,9.3 97.46,9.02 105.71,9.02 106.6,9.91 106.78,9.91 106.79,9.89 107.3,9.89 108.03,10.62 108.03,48.11 108.58,48.67 112.93,48.67 113.29,48.3 113.3,48.3 113.32,48.28 113.32,6.87 112.9,6.45 110.72,6.45 110.59,6.32 108.18,6.32 107.47,5.61 95.35,5.61 95,5.97 95,9.07
SYS_VBAT on BOTTOM: 71.34,59.18 70.56,59.18 70.02,58.64 68.22,58.64 68.13,58.56 68.13,56.91 68.3,56.74 70.18,56.74 71.13,55.8 71.13,53.55 71.5,53.17 72.58,53.17 74.84,55.44 74.84,56.15 85.8,67.11 85.8,69.19 85.67,69.32 80.34,69.32 73.71,62.69 73.71,57.63 73.42,57.35 72.28,57.35 71.67,57.95 71.67,58 71.36,58.31 71.36,59.16
SYS_VBAT on ART05: 55.92,68.85 83.22,68.85 83.79,69.42 85.81,69.42 86.11,69.13 86.11,65.3 85.39,64.59 70.08,64.59 68.98,65.69 59.04,65.69 51.59,58.24 51.59,52.12 51.05,51.59 45.62,51.59 45.24,51.97 45.24,53.34 47.98,56.08 47.98,60.91
USB_VBUS_5V on BOTTOM: 38.91,55.98 40.43,55.98 40.69,55.73 40.69,54.61 40.43,54.36 38.98,54.36 38.86,54.48 38.86,55.93
VREG_L15A_1P2 on TOP: 55.63,68.76 55.63,71.88 55.75,72.01 56.9,72.01 57.02,71.88 57.28,71.88 57.4,71.75 57.4,69.77 57.96,69.21 69.77,69.21 70.1,69.55 70.1,72.14 70.23,72.26 71.37,72.26 71.5,72.14 71.75,72.14 71.88,72.01 71.88,68.61 71.7,68.43 55.96,68.43
VREG_L18A_1P8 on TOP: 4.75,49.71 5.8,49.71 5.9,49.61 5.9,47.79 5.83,47.72 4.78,47.72 4.66,47.83 4.66,49.62
VREG_L19A_1P2 on TOP: 13.54,71.55 13.44,71.45 11.35,71.45 11.2,71.6 11.2,73.28 11.25,73.33 13.44,73.33 13.54,73.23
VREG_L21A_3P3 on TOP: 16.54,70.13 17.14,70.13 17.2,70.08 17.2,68.91 17.3,68.81 17.3,65.93 17.15,65.78 15.99,65.78 15.88,65.89 15.88,67.72 16.48,68.33 16.48,70.08
VREG_L29A_3P3 on TOP: 60.33,18.8 61.47,18.8 61.59,18.67 61.59,17.78 61.47,17.65 60.33,17.65 60.2,17.78 60.2,18.67
VREG_L29A_3P3 on TOP: 66.67,18.8 68.07,18.8 68.2,18.67 68.2,17.02 68.07,16.89 66.93,16.89 66.55,17.27 66.55,18.67
VREG_S4A_1P8 on TOP: 27,70.28 27.51,70.28 27.61,70.18 27.61,68.86 27.76,68.71 28.37,68.71 28.52,68.55 28.52,67.54 28.47,67.49 27.05,67.49 26.9,67.64 26.9,70.18
N574665 on TOP: 43.69,50.93 43.56,50.8 41.91,50.8 41.78,50.93 41.78,52.07 41.15,52.7 41.15,53.93 41.71,54.49 43.38,54.49 43.69,54.18
N574665 on BOTTOM: 41.53,56.04 43.08,56.04 43.3,55.81 43.3,53.78 43.18,53.65 41.58,53.65 41.45,53.78 41.45,55.97
N910665 on TOP: 90.65,11 89,11 89,11 88.26,11 88.09,10.83 88.09,10.29 87.99,10.19 86.97,10.19 86.97,12.32 85.7,13.59 85.7,17.88 85.8,17.98 86.49,17.98 86.56,17.91 86.56,15.41 86.94,15.04 89.15,15.04 89.75,15.63 91.74,15.63 91.84,15.53 91.84,13.73 91.64,13.52 89.25,13.52 89.07,13.35 89.07,12.53 89.19,12.41 90.61,12.41 90.74,12.28 90.74,11.08
N914415 on TOP: 87.68,18.92 88.95,18.92 89.53,18.34 91.57,18.34 91.72,18.19 91.72,16.42 89.52,16.42 89.23,16.71 89.23,17.63 88.7,18.16 87.71,18.16 87.63,18.24 87.63,18.87
N4320964 on TOP: 89.08,34.32 91.87,34.32 92.68,33.5 93.19,33.5 93.24,33.45 93.24,31.72 93.19,31.67 91.67,31.67 90.6,32.74 89.08,32.74 89.03,32.79 89.03,34.26
N4426875 on TOP: 101.27,34.32 104.06,34.32 104.88,33.5 105.38,33.5 105.44,33.45 105.44,31.72 105.38,31.67 103.86,31.67 102.79,32.74 101.27,32.74 101.22,32.79 101.22,34.26
N5005255 on TOP: 89.17,10.85 90.79,10.85 90.9,10.74 90.9,9.12 90.85,9.07 89.25,9.07 89.12,9.19 89.12,10.79
N5119881 on TOP: 81.51,39.7 85.65,39.7 85.75,39.6 85.75,36.55 85.6,36.4 81.89,36.4 81.79,36.5 81.79,38.15 81.43,38.51 81.43,39.62
N5481925 on TOP: 46.33,87.1 47.8,87.1 48.11,87.4 48.11,88.95 48.36,89.2 49.71,89.2 49.78,89.13 49.78,86.36 49.68,86.26 46.36,86.26 46.28,86.33 46.28,87.05
N5542711 on TOP: 88.72,70.38 90.2,70.38 90.5,70.69 90.5,72.24 90.75,72.49 92.1,72.49 92.18,72.42 92.18,69.65 92.08,69.55 88.75,69.55 88.67,69.62 88.67,70.33
N5566951 on TOP: 87.96,75.87 92.08,75.87 92.28,75.67 92.28,73.94 92.13,73.79 90.4,73.79 90.14,73.53 90.14,70.69 89.99,70.54 88.72,70.54 88.67,70.59 88.67,71.2 87.91,71.96 87.91,75.82
N5572453 on TOP: 45.57,92.58 49.68,92.58 49.89,92.38 49.89,90.65 49.73,90.5 48.01,90.5 47.75,90.25 47.75,87.4 47.6,87.25 46.33,87.25 46.28,87.3 46.28,87.91 45.52,88.67 45.52,92.53
N11232438 on TOP: 108.1,18.82 109.37,18.82 109.96,18.24 111.88,18.24 112.02,18.09 112.02,16.42 111.93,16.33 109.87,16.33 109.65,16.55 109.65,17.53 109.12,18.06 108.13,18.06 108.05,18.14 108.05,18.77
N11232708 on TOP: 109.23,14.71 110.02,15.5 111.84,15.5 111.99,15.35 111.99,13.53 111.96,13.5 109.8,13.5 109.71,13.41 109.71,12.68 109.84,12.55 111.02,12.55 111.2,12.38 111.2,11.24 111.08,11.13 109.22,11.13 109.2,11.1 108.5,11.1 108.1,10.7 108.1,10.01 107.47,10.01 107.39,10.08 107.39,12.22 106.12,13.49 106.12,17.78 106.22,17.88 106.91,17.88 106.98,17.81 106.98,15.04 107.31,14.71
N13955736 on TOP: 109.52,10.9 111.23,10.9 111.33,10.8 111.33,9.25 111.23,9.15 109.6,9.15 109.5,9.25 109.5,10.88

Small or netless copper shapes (teardrops, artwork), in the pictures only: 6 on TOP

## Text on the board
Top Overlay: U603 | A | U604
DRAWING_ORIGIN: FIGURE | DRILL CHART: GND02 to GND07 | ALL UNITS ARE IN MILS | SIZE | 8.0 | PLATED | QTY | 13
NCLEGEND-1-2: FIGURE | DRILL CHART: TOP to GND02 | ALL UNITS ARE IN MILS | SIZE | 4.0 | PLATED | QTY | 38
NCLEGEND-1-8: FIGURE | DRILL CHART: TOP to BOTTOM | 43.31x19.69 | ALL UNITS ARE IN MILS | 15.75 | 25.59 | 51.18 | SIZE | 10.0 | 8.0 | NON-PLATED | PLATED | 2139 | QTY | 252 | 24 | 4 | 2 | 8
